# Altium PCB RF_sensor_mini_v1.0.PcbDoc
Units mil, origin at the board's own origin, x right, y up, seen from the top; angles counter-clockwise.
Board outline 860 x 1000 mil, 2 copper layers (Top Layer, Bottom Layer); 52 components, 34 nets, 124 pads, 32 vias.
Unrouted connection lines stored in the file: 27.
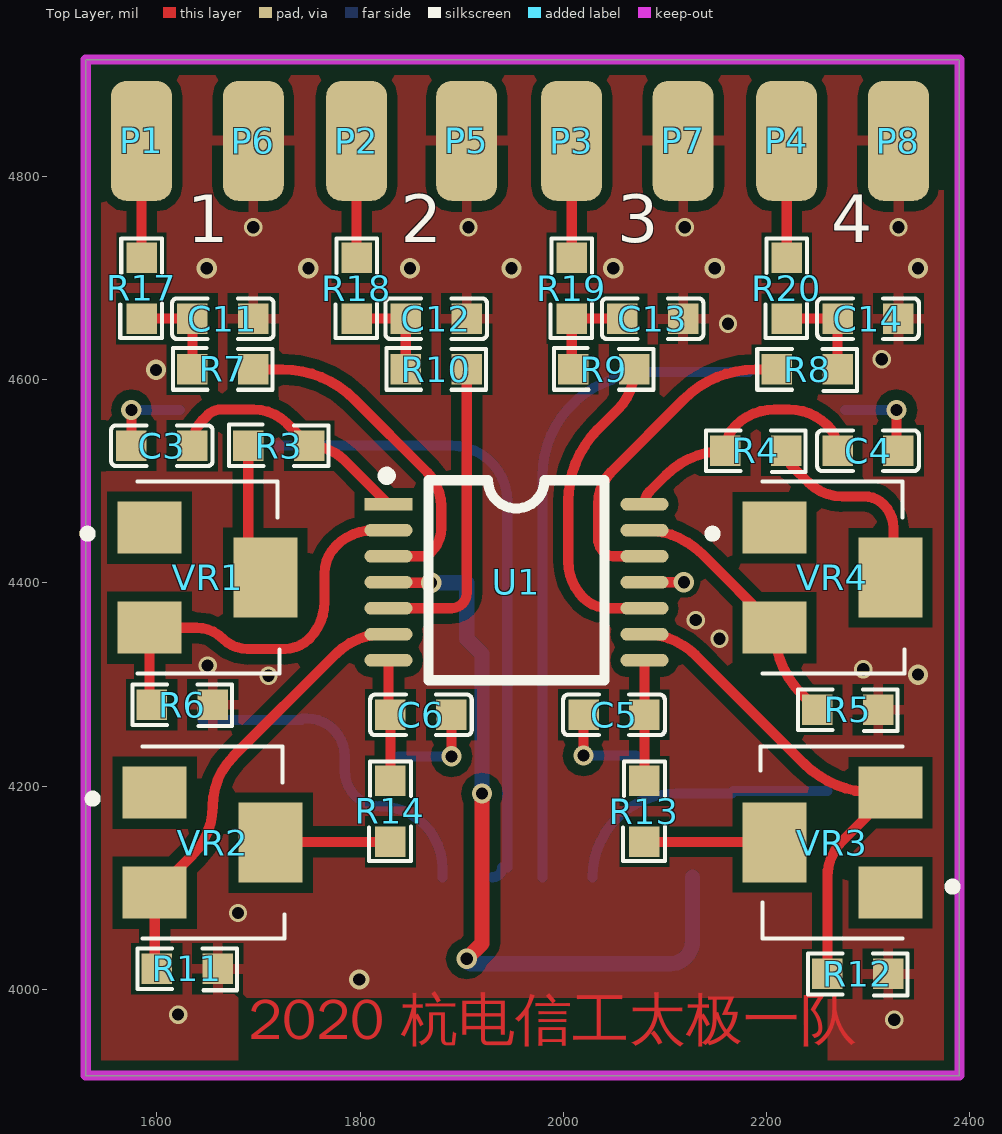
[diagram p0: Top Layer view]
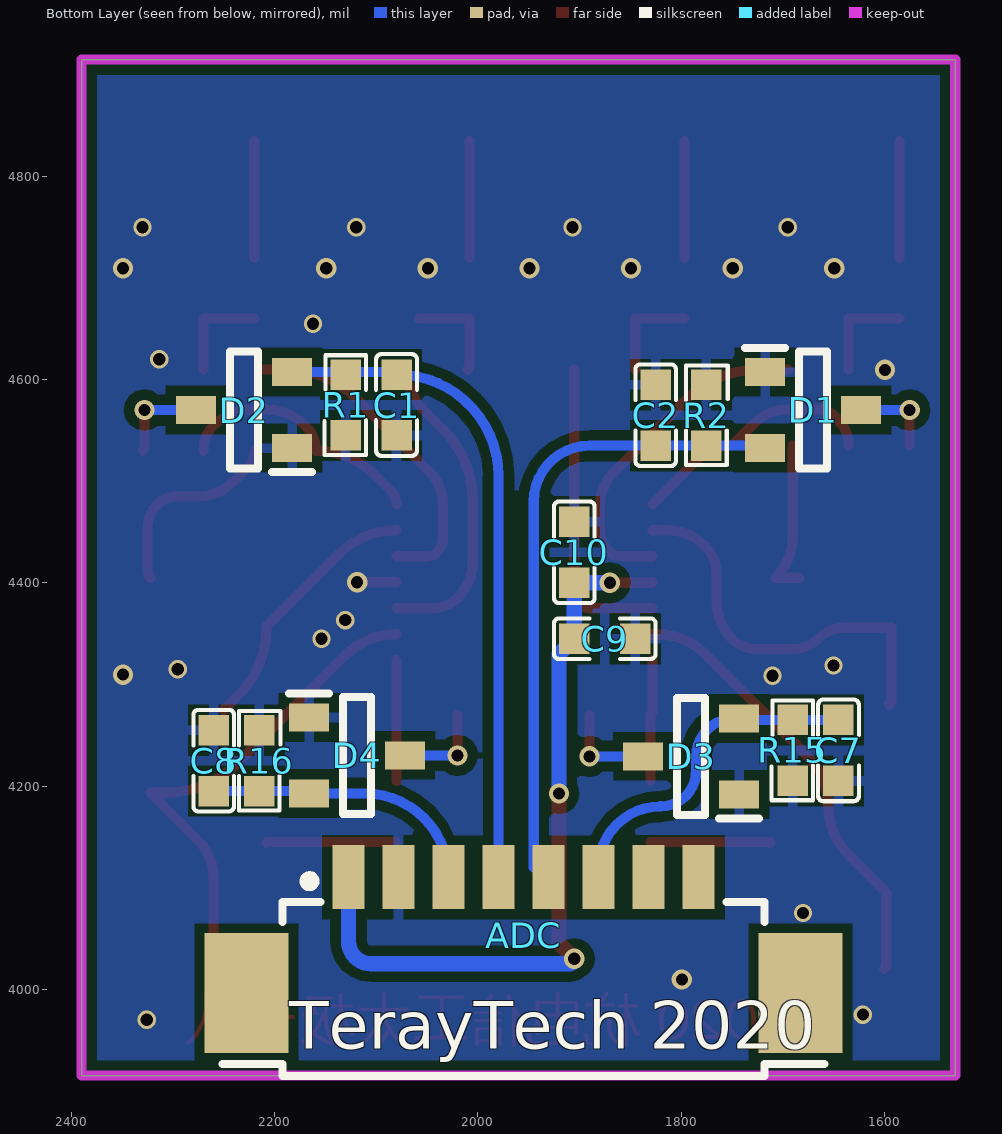
[diagram p1: Bottom Layer view, seen from below]
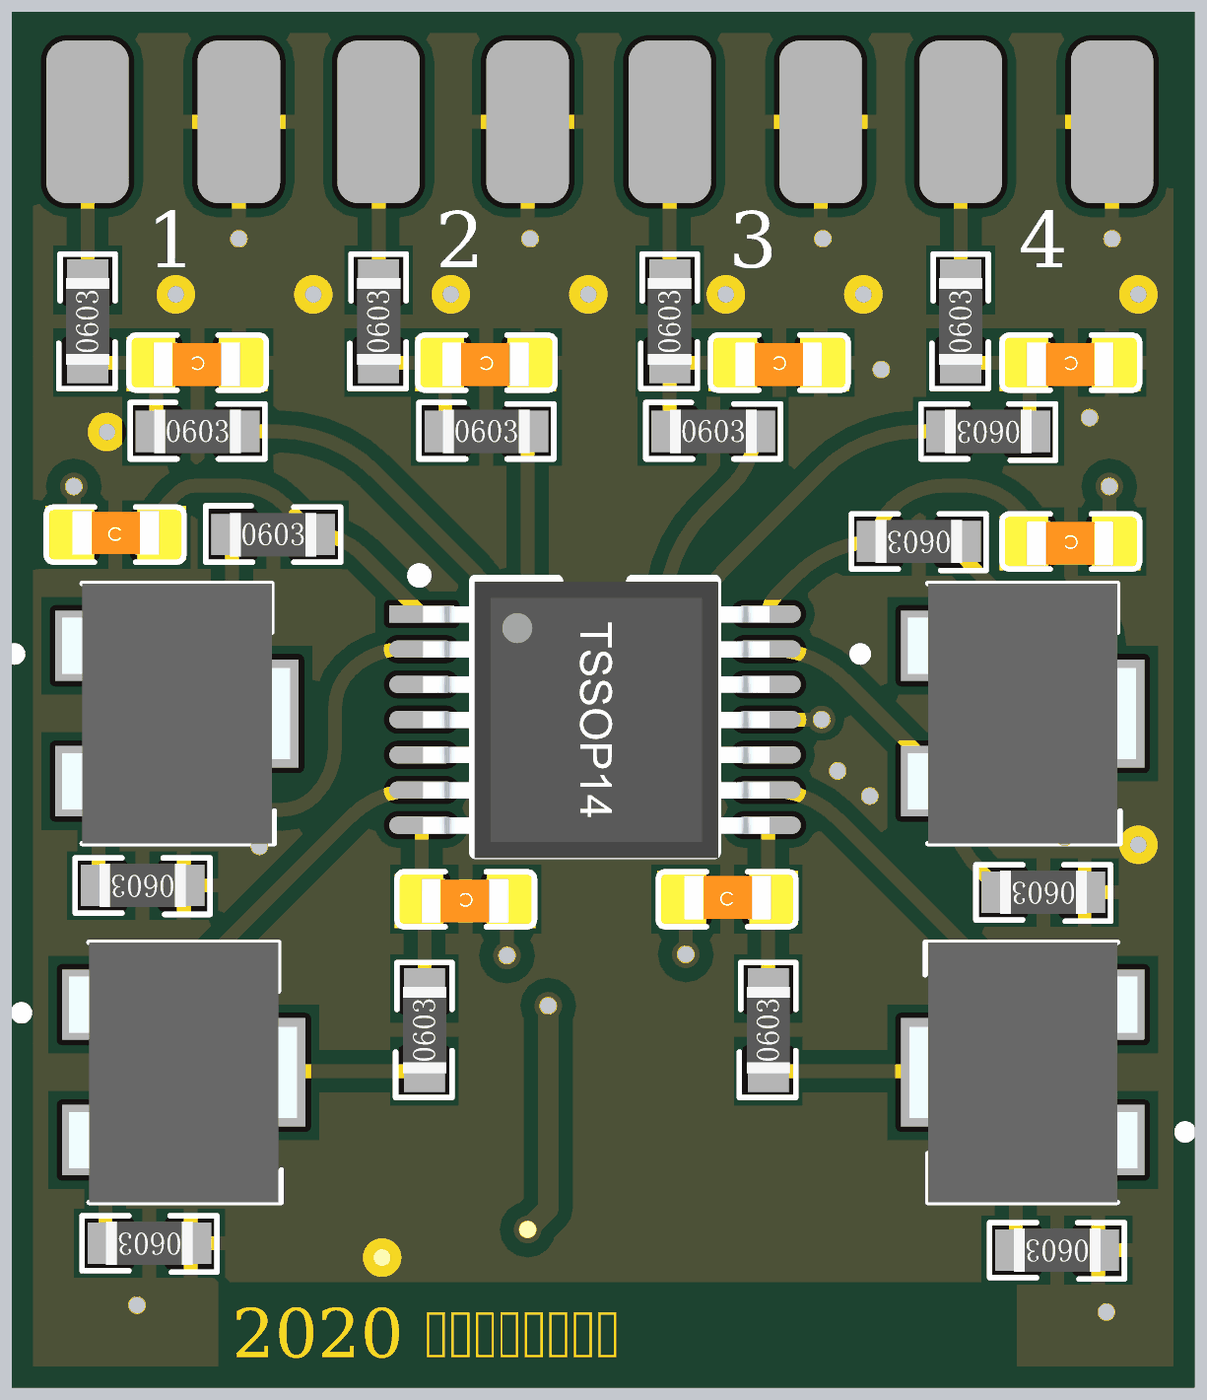
[diagram p2: 3D render of the assembled board from above, using the file's embedded part models]
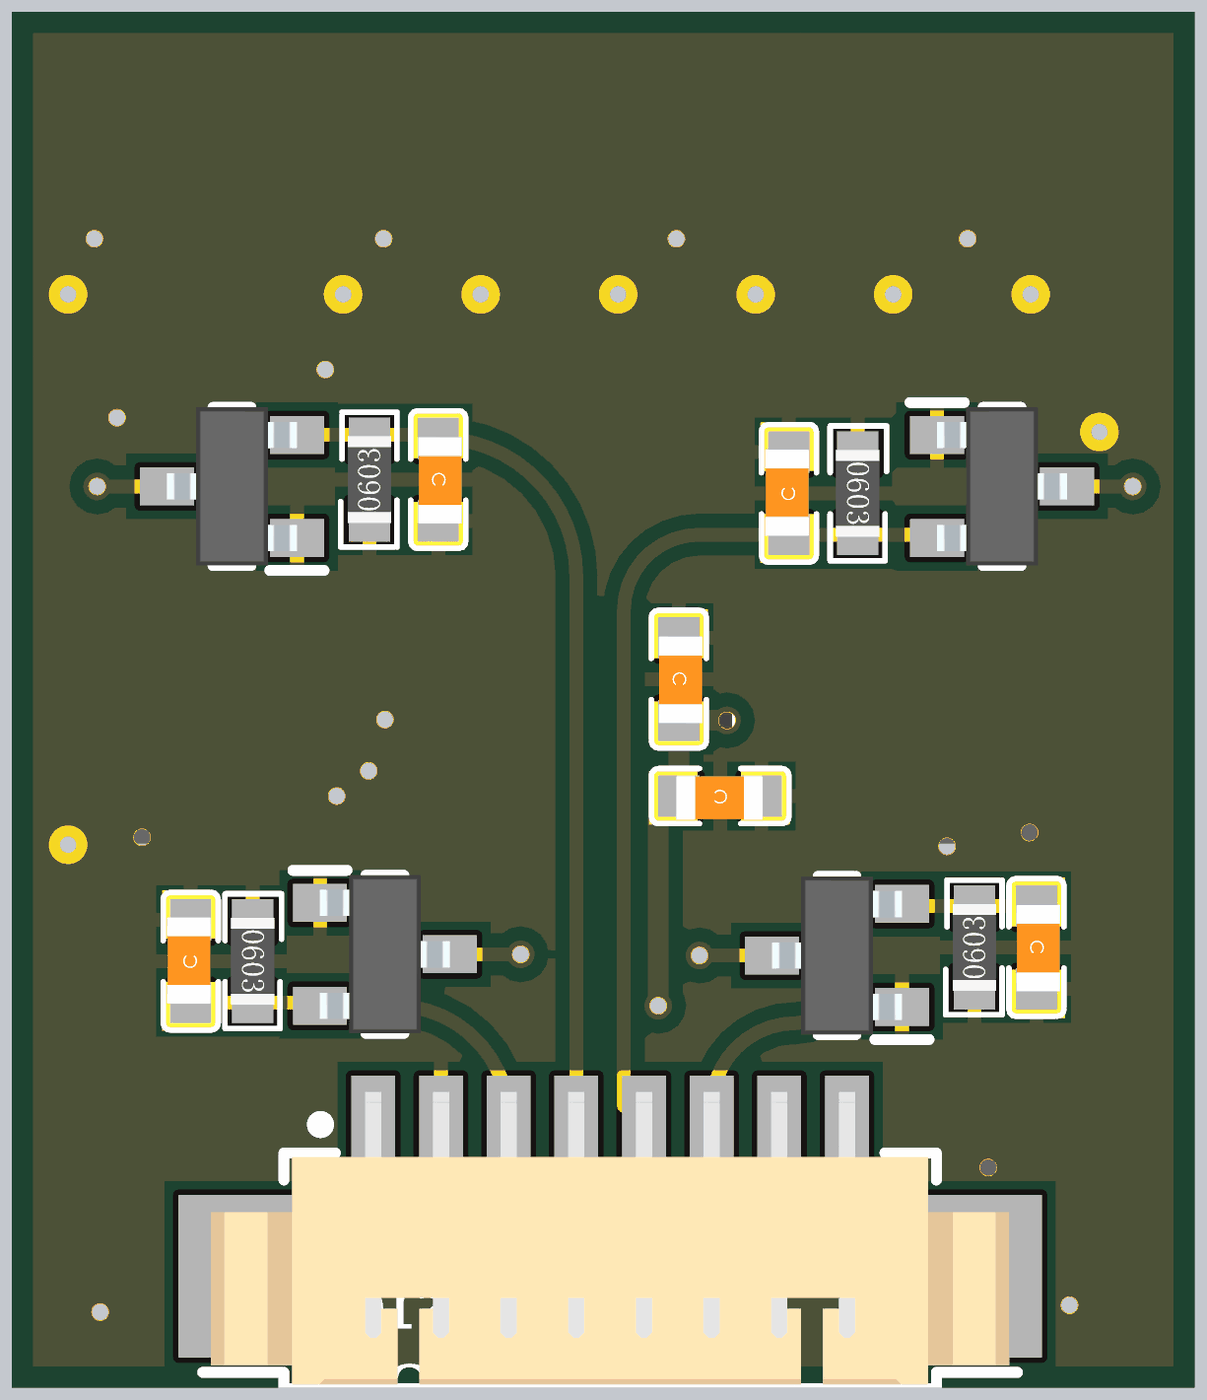
[diagram p3: 3D render of the assembled board from below, using the file's embedded part models]

## Layer stack, top to bottom
Top Solder: solder mask 0.4, Solder Resist, Dk 3.5
Top Layer: signal copper 1.4
Dielectric 1: dielectric 12.6, FR-4, Dk 4.8
Bottom Layer: signal copper 1.4
Bottom Solder: solder mask 0.4, Solder Resist, Dk 3.5

## Board outline
1530,3915 1530,4915 2390,4915 2390,3915

## Design rules (kind name [scope] priority, off if disabled: settings)
Clearance [All] p1: gap=10 ignorepadtopadclearanceinfootprint=FALSE except(0: Arc-Hole Track-Hole SMDPad-Hole THPad-Hole Via-Hole Fill-Hole Poly-Hole Region-Hole Text-Hole)
PolygonConnect via [IsVia] p1: connectstyle=Direct reliefconductorwidth=10 reliefentries=4 polygonreliefangle="90 Angle" airgapwidth=10
PolygonConnect [All] p2: connectstyle=Relief reliefconductorwidth=10 reliefentries=4 polygonreliefangle="90 Angle" airgapwidth=10
RoutingVias [All] p1: holewidth=12 width=20 viastyle="Through Hole" minholewidth=12 minwidth=18 maxholewidth=28 maxwidth=50
SolderMaskExpansion [All] p1: expansion=4 istentingtop=FALSE
Width [All] p1: maxlimit=20 minlimit=6 preferedwidth=10 bottomlayer_minwidth=10 minimp=50.000000 maximp=50.000000 favimp=50.000000
30 further rules are at their usual default settings.

## Components (designator, comment, footprint, x,y, rotation, side; value= is the part's Value field where it differs from the comment)
ADC "HEADER-8PIN" HEADER_8P_1.25_RT 1955,4000 r180 bottom
C1 "0.1uF" 0603_C 2080,4575 r270 bottom value=104
C2 "0.1uF" 0603_C 1825,4565 r90 bottom value=104
C3 "0.1uF" 0603_C 1605,4535 r0 top value=104
C4 "0.1uF" 0603_C 2300,4530 r180 top value=104
C5 "0.1uF" 0603_C 2050,4270 r0 top value=104
C6 "0.1uF" 0603_C 1860,4270 r180 top value=104
C7 "0.1uF" 0603_C 1645,4235 r270 bottom value=104
C8 "0.1uF" 0603_C 2260,4225 r90 bottom value=104
C9 "0.1uF" 0603_C 1875,4345 r0 bottom value=104
C10 "2200pF" 0603_C 1905,4430 r270 bottom value=104
C11 "47pF" 0603_C 1665,4660 r180 top value=104
C12 "47pF" 0603_C 1875,4660 r180 top value=104
C13 "47pF" 0603_C 2088.05,4660 r180 top value=104
C14 "47pF" 0603_C 2300,4660 r180 top value=104
D1 "BAT54S" SOT95P240X120-3N 1670,4570 r180 bottom
D2 "BAT54S" SOT95P240X120-3N 2230,4570 r0 bottom
D3 "BAT54S" SOT95P240X120-3N 1790,4229.14 r0 bottom
D4 "BAT54S" SOT95P240X120-3N 2118.76,4230 r180 bottom
P1 "PAD" PAD 1585,4835 r90 top
P2 "PAD" PAD 1796.67,4835 r90 top
P3 "PAD" PAD 2008.33,4835 r90 top
P4 "PAD" PAD 2220,4835 r90 top
P5 "PAD" PAD 1905,4835 r90 top
P6 "PAD" PAD 1695,4835 r90 top
P7 "PAD" PAD 2118.05,4835 r90 top
P8 "PAD" PAD 2330,4835 r90 top
R1 "47K" 0603_R 2130,4575 r90 bottom value=1K
R2 "47K" 0603_R 1775,4565 r270 bottom value=1K
R3 "20K" 0603_R 1720,4535 r0 top value=1K
R4 "20K" 0603_R 2189.47,4530 r180 top value=1K
R5 "1K" 0603_R 2280,4275 r180 top
R6 "1K" 0603_R 1625,4280 r180 top
R7 "5.1K" 0603_R 1665,4610 r0 top value=1K
R8 "5.1K" 0603_R 2240,4610 r180 top value=1K
R9 "5.1K" 0603_R 2040,4610 r0 top value=1K
R10 "5.1K" 0603_R 1875,4610 r0 top value=1K
R11 "1K" 0603_R 1630,4020 r180 top
R12 "1K" 0603_R 2290,4015 r180 top
R13 "20K" 0603_R 2080,4175 r90 top value=1K
R14 "20K" 0603_R 1830,4175 r90 top value=1K
R15 "47K" 0603_R 1690,4235 r90 bottom value=1K
R16 "47K" 0603_R 2215,4225 r270 bottom value=1K
R17 "2K" 0603_R 1585,4690 r90 top value=1K
R18 "2K" 0603_R 1796.67,4690 r90 top value=1K
R19 "2K" 0603_R 2008.33,4690 r90 top value=1K
R20 "2K" 0603_R 2220,4690 r90 top value=1K
U1 "Ti OPA4377" TSSOP14 1828.03,4477.36 r0 top
VR1 "3224W-1-101G" 3224W1101G 1650,4405 r0 top locked
VR2 "3224W-1-101G" 3224W1101G 1655,4144.21 r0 top locked
VR3 "3224W-1-101G" 3224W1101G 2265,4144.21 r180 top
VR4 "3224W-1-101G" 3224W1101G 2265,4405 r0 top

## Footprints (in the part's own frame and the unit in brackets; to place one, negate y for a bottom-side part, rotate by r counter-clockwise, add the part's x,y. Pads: shape width x height; smd on the part's side, far side on the other; paste and mask are expansions set on the pad)
0603_C [mil] "Capacitor"
  rect 30x30 smd: 1(-30,0) 2(30,0)
  silkscreen extent -50,-20 50,20, body extent -51,-18 52,21, height 35
0603_R [mil]
  rect 30x30 smd: 1(-30,0) 2(30,0)
  silkscreen extent -49,-20 49,21, body extent -32,-16 31,16, height 18
3224W1101G [mm]
  rect 1.6x1.3 smd: 1(-1.45,1.25) 3(-1.45,-1.25)
  rect 1.6x2 smd: 2(1.45,0)
  silkscreen extent -3.1,-2.4 1.8,2.4, body extent -2.12,-2.4 2.09,2.4, height 5.65
HEADER_8P_1.25_RT [mm]
  rect 0.81x1.6 smd: 1(-4.375,2.8) 2(-3.125,2.8) 3(-1.875,2.8) 4(-0.625,2.8) 5(0.625,2.8) 6(1.875,2.8) 7(3.125,2.8) 8(4.375,2.8)
  rect 2.1x3 smd: MP1(-6.925,-0.1) MP2(6.925,-0.1)
  silkscreen extent -7.52,-2.17 7.52,2.82, body extent -7.38,-2.1 7.37,3.3, height 3.4
PAD [mil]
  rrect50% 118.11x60 smd: 1(0,0)
SOT95P240X120-3N [mm]
  rect 1x0.7 smd: 1(-1.2,0.95) 2(-1.2,-0.95) 3(1.2,0)
  silkscreen extent -1.7,-1.46 0.35,1.55, body extent -1.2,-1.46 1.2,1.46, height 1.2
TSSOP14 [mm]
  rect 1.2x0.32 smd: 1(0,0)
  oval 1.2x0.32 smd: 2(0,-0.65) 3(0,-1.3) 4(0,-1.95) 5(0,-2.6) 6(0,-3.25) 7(0,-3.9) 8(6.4,-3.9) 9(6.4,-3.25) 10(6.4,-2.6) 11(6.4,-1.95) 12(6.4,-1.3) 13(6.4,-0.65) 14(6.4,0)
  silkscreen extent -0.14,-4.4 5.4,0.81, body extent 0.03,-4.51 6.43,0.59, height 1.2

## Part data
C1 C2 C3 C4 C5 C6 C7 C8 C9 C10 C11 C12 C13 C14: library part CAP, "Capacitor", LatestRevisionDate=17-Jul-2002, LatestRevisionNote="Re-released for DXP Platform.", PackageReference=RAD-0.3, Published=8-Jun-2000, Publisher="Altium Limited"
D1 D2 D3 D4: "Schottky Diode", Manufacturer_Name="ON Semiconductor", Mouser Part Number=512-BAT54S, RS Part Number=6708797P, Datasheet Link=http://www.onsemi.com/pub/Collateral/BAT54S-D.pdf, Height=1.2mm, Manufacturer_Part_Number=BAT54S, Mouser Price/Stock=https://www.mouser.com/Search/Refine.aspx?Keyword=512-BAT54S, RS Price/Stock=http://uk.rs-online.com/web/p/products/6708797P
R1 R2 R3 R4 R5 R6 R7 R8 R9 R10 R11 R12 R13 R14 R15 R16 R17 R18 R19 R20: library part RES0, "Resistor", Published=8-Jun-2000, Publisher="Altium Limited", Revision="July-2002: Re-released for DXP Platform."
U1: library part opa4377
VR1 VR2 VR3 VR4: "Variable Resistor", Manufacturer_Name=Bourns, Mouser Part Number=652-3224W-1-101G, Datasheet Link=https://componentsearchengine.com/Datasheets/1/3224W-1-101G.pdf, Height=5.55mm, Manufacturer_Part_Number=3224W-1-101G, Mouser Price/Stock=https://www.mouser.com/Search/Refine.aspx?Keyword=652-3224W-1-101G

## Via types
v1: diameter 18, hole 12, Top Layer to Bottom Layer, tented both sides, 14 vias
v2: diameter 20, hole 12, Top Layer to Bottom Layer, 10 vias
v3: diameter 20, hole 12, Top Layer to Bottom Layer, tented both sides, 8 vias

## Nets (pads, with @x,y where several pads share a name; then routed paths per layer and width w, separated by ;. In a path a pad name is that pad's centre, name@x,y a point inside that pad or via, vN(x,y) a via of type N, cw(c..) or ccw(c..) an arc to the next point about the centre after c; other vN are vias at no path point)
GND: ADC.2 C1.2 C2.2 C7.2 C8.2 C9.1 C10.1 C11.1 C12.1 C13.1 C14.1 D1.1 D2.1 D3.1 D4.1 P5.1 P6.1 P7.1 P8.1 R1.1 R2.1 R5.1 R6.1 R11.1 R12.1 R15.1 R16.1 U1.11 | length 40
  Top Layer w10: U1.11 v3(2118.76,4400.59) v3@2120,4400.59
  other v1: 2325.86,3970 1620.98,3975 1680,4075 1710,4308.47 2295.39,4315 1650,4318.51 2153.82,4345 2130.51,4363.27 2313.58,4620 2162.11,4655 1695,4750 1906.8,4750 2119.7,4750 2330,4750
  other v2: 1799.16,4009.61 2349.16,4309.61 1599.16,4609.61 1649.16,4709.61 1749.16,4709.61 1849.16,4709.61 1949.16,4709.61 2049.16,4709.61 2149.16,4709.61 2349.16,4709.61
IN1_P: C11.2 R7.1 R17.1 | length 100
  Top Layer w10: R17.1 C11.2 R7.1
IN2_P: C12.2 R10.1 R18.1 | length 98.3
  Top Layer w10: R18.1 C12.2 R10.1
IN3_P: C13.2 R9.1 R19.1 | length 100.2
  Top Layer w10: R9.1 cw(c2014.02,4614.02) 2008.33,4614.02 R19.1 C13.2
IN4_P: C14.2 R8.1 R20.1 | length 100
  Top Layer w10: R20.1 C14.2 R8.1
NetC3_1: C3.1 D1.3 | length 82.8
  Top Layer w10: C3.1 v3(1575,4570)
  Bottom Layer w10: v3(1575,4570) D1.3
NetC3_2: C3.2 R3.2 U1.1 | length 248.7
  Top Layer w10: C3.2 cw(c1671.21,4535) 1645.61,4560.61 1650,4565 cw(c1663.67,4551.33) 1663.67,4570.66 1695,4570.66 cw(c1695,4523.98) 1728.01,4556.99 R3.2 cw(c1750,4485.76) 1784.81,4520.58 U1.1
NetC4_1: C4.1 D2.3 | length 91.6
  Top Layer w10: v3(2328,4570) 2328,4532 C4.1
  Bottom Layer w10: D2.3 v3(2328,4570)
NetC4_2: C4.2 R4.2 U1.14 | length 255.2
  Top Layer w10: U1.14 cw(c2098.44,4477.36) 2085.4,4490.4 2100.63,4505.63 cw(c2159.47,4446.79) R4.2 cw(c2194.39,4530) 2169.7,4554.7 cw(c2208.24,4516.15) 2208.24,4570.66 2222.18,4570.66 cw(c2222.18,4517.19) 2260,4555 cw(c2235.86,4530.86) 2270,4530.86 C4.2
NetC5_1: C5.1 D4.3 | length 91.5
  Top Layer w10: v3(2020,4230) C5.1
  Bottom Layer w10: v3(2020,4230) D4.3
NetC5_2: C5.2 R13.2 U1.8 | length 118.8
  Top Layer w10: R13.2 C5.2 U1.8
NetC6_1: C6.1 D3.3 | length 93.6
  Top Layer w10: v3(1890,4229.14) C6.1
  Bottom Layer w10: D3.3 v3(1890,4229.14)
NetC6_2: C6.2 R14.2 U1.7 | length 119.3
  Top Layer w10: U1.7 1828.03,4274.75 ccw(c1834.75,4274.75) C6.2 R14.2
NetP1_1: P1.1 R17.2 | length 115
  Top Layer w10: R17.2 P1.1
NetP2_1: P2.1 R18.2 | length 115
  Top Layer w10: R18.2 P2.1
NetP3_1: P3.1 R19.2 | length 115
  Top Layer w10: R19.2 P3.1
NetP4_1: P4.1 R20.2 | length 115
  Top Layer w10: R20.2 P4.1
NetR3_1: R3.1 VR1.2 | length 158.1
  Top Layer w10: VR1.2@1683.55,4405 VR1.2 cw(c1748.34,4446.25) 1690,4446.25 R3.1
NetR4_1: R4.1 VR4.2 | length 194.6
  Top Layer w10: R4.1 ccw(c2242.32,4530) 2226.16,4513.84 2240.86,4499.14 ccw(c2275,4533.28) 2275,4485 2296.56,4485 cw(c2296.56,4458.92) 2315,4477.36 2315.65,4476.71 cw(c2293.08,4454.14) 2325,4454.14 2325,4412.03 cw(c2315.05,4412.03) VR4.2
NetR5_2: R5.2 U1.13 VR4.3 | length 259.1
  Top Layer w10: U1.13 cw(c2080,4371.04) 2137.09,4428.13 2206.84,4358.37 cw(c2204.26,4355.79) VR4.3 ccw(c2301.35,4355.79) 2235.28,4289.72 R5.2
NetR6_2: R6.2 U1.2 VR1.3 | length 396.2
  Top Layer w10: R6.2 1592.91,4282.09 VR1.3 1638.96,4355.79 cw(c1638.96,4318.96) 1665,4345 ccw(c1689.14,4369.14) 1689.14,4335 1725.86,4335 ccw(c1725.86,4369.14) 1750,4345 ccw(c1713.79,4381.21) 1765,4381.21 1765,4409.14 cw(c1803.28,4409.14) 1776.21,4436.21 cw(c1813.77,4398.65) 1813.77,4451.77 U1.2
NetR7_2: R7.2 U1.3 | length 336.9
  Top Layer w10: R7.2 1723.58,4610 cw(c1723.58,4510) 1794.29,4580.71 1865.86,4509.14 cw(c1831.72,4475) 1880,4475 1880,4454.14 cw(c1845.86,4454.14) 1870,4430 cw(c1860.78,4439.22) 1860.78,4426.18 U1.3
NetR8_2: R8.2 U1.12 | length 325.4
  Top Layer w10: U1.12 2049.22,4426.18 cw(c2049.22,4439.22) 2040,4430 cw(c2053.79,4443.79) 2034.29,4443.79 2034.29,4477.36 cw(c2079.87,4477.36) 2047.64,4509.59 2118.76,4580.71 cw(c2189.47,4510) 2189.47,4610 R8.2
NetR9_2: R9.2 U1.10 | length 311.9
  Top Layer w10: R9.2 cw(c2014.37,4610) 2053.71,4570.66 2034.29,4551.25 ccw(c2105,4480.54) 2005,4480.54 2005,4421.21 ccw(c2056.21,4421.21) 2020,4385 ccw(c2044.14,4409.14) 2044.14,4375 U1.10
NetR10_2: R10.2 U1.5 | length 305.5
  Top Layer w10: U1.5 1890,4375 ccw(c1890,4390) 1905,4390 R10.2
NetR11_2: R11.2 U1.6 VR2.3 | length 435.8
  Top Layer w10: R11.2 1597.91,4022.09 VR2.3 1635.26,4132.35 ccw(c1587.61,4180) 1655,4180 cw(c1724.5,4180) 1675.36,4229.14 1776.21,4330 cw(c1823.07,4283.14) 1823.07,4349.41 U1.6
NetR12_2: R12.2 U1.9 VR3.3 | length 501.2
  Top Layer w10: U1.9 cw(c2080,4277.97) 2130.51,4328.49 2236.29,4222.71 ccw(c2307,4293.43) 2307,4193.43 VR3.3 2275.09,4146.43 ccw(c2311.52,4110) 2260,4110 R12.2
NetR13_1: R13.1 VR3.2 | length 128.1
  Top Layer w10: R13.1 2206.01,4145 cw(c2206.01,4142.31) VR3.2
NetR14_1: R14.1 VR2.2 | length 118.1
  Top Layer w10: VR2.2 cw(c1713.99,4142.31) 1713.99,4145 R14.1
"OUT 1": ADC.5 C2.1 D1.2 R2.2 | length 635.8
  Bottom Layer w10: D1.2 cw(c1719.65,4532.6) 1719.65,4535 R2.2 C2.1 1890,4535 cw(c1890,4480) 1945,4480 ADC.5@1945,4119.84 ; ADC.5 ccw(c1930.39,4119.84) ADC.5@1940,4119.84
"OUT 2": ADC.6 C7.1 D3.2 R15.2 | length 336
  Bottom Layer w10: C7.1 R15.2 1741.21,4265 ccw(c1741.21,4266.54) D3.2 1747.6,4266.54 cw(c1747.6,4229.14) 1785,4229.14 1785,4215 ccw(c1820,4215) 1820,4180 cw(c1820,4118.82) 1881.18,4118.82 ADC.6
"OUT 3": ADC.3 C8.1 D4.2 R16.2 | length 279.6
  Bottom Layer w10: ADC.3 cw(c2111.18,4110.24) 2111.18,4192.6 D4.2 cw(c2168.4,4192.6) 2168.4,4195 R16.2 C8.1
"OUT 4": ADC.4 C1.1 D2.2 R1.2 | length 656.4
  Bottom Layer w10: ADC.4 1979.61,4505 cw(c2079.61,4505) 2079.61,4605 C1.1 cw(c2082.4,4605) 2082.4,4607.4 D2.2
VCC: ADC.1 C9.2 C10.2 U1.4 | length 760.4
  Top Layer w10: U1.4 1828.62,4400 v3(1870,4400)
  Top Layer w15: v3(1905,4030) 1920,4045 v3(1920,4192.6)
  Bottom Layer w15: v3(1870,4400) C10.2 C9.2 1920,4330 v3(1920,4192.6) ; v3(1905,4030) ccw(c1910,4030) 1910,4025 2105,4025 ccw(c2105,4047.24) 2127.24,4047.24 ADC.1
pads on no net: ADC.7 ADC.8 ADC.MP1 ADC.MP2 VR1.1 VR2.1 VR3.1 VR4.1

## Polygon pours and split planes (outlines as drawn)
GND on Top Layer "Top Layer-GND" (solid, pour order 0): 1520,4930 1520,3910 2395,3910 2395,4930
GND on Bottom Layer "Bottom Layer-GND" (solid, pour order 2): 1530,4925 1530,3915 2390,3915 2390,4925

## Keep-outs
Keep-Out Layer:
  lines w10: 1530,3915 2390,3915 2390,4915 1545,4915 1530,4915 1530,3915

## Other copper
Top Layer:
  text "2020 杭电信工太极一队" at 1690,3937.19 h70

## Silkscreen, mask and mechanical layers (free items; w line width, h text height)
Top Overlay:
  text "1" at 1630,4720 h80
  text "2" at 1840,4720 h80
  text "3" at 2053.05,4720 h80
  text "4" at 2264,4720 h80
Bottom Overlay:
  text "TerayTech 2020" at 2185.69,3926.18 h80
Top Solder:
  text "2020 杭电信工太极一队" at 1690,3937.19 h70